# Altium PCB ESP32 S3 Mini-1.PcbDoc (continued)
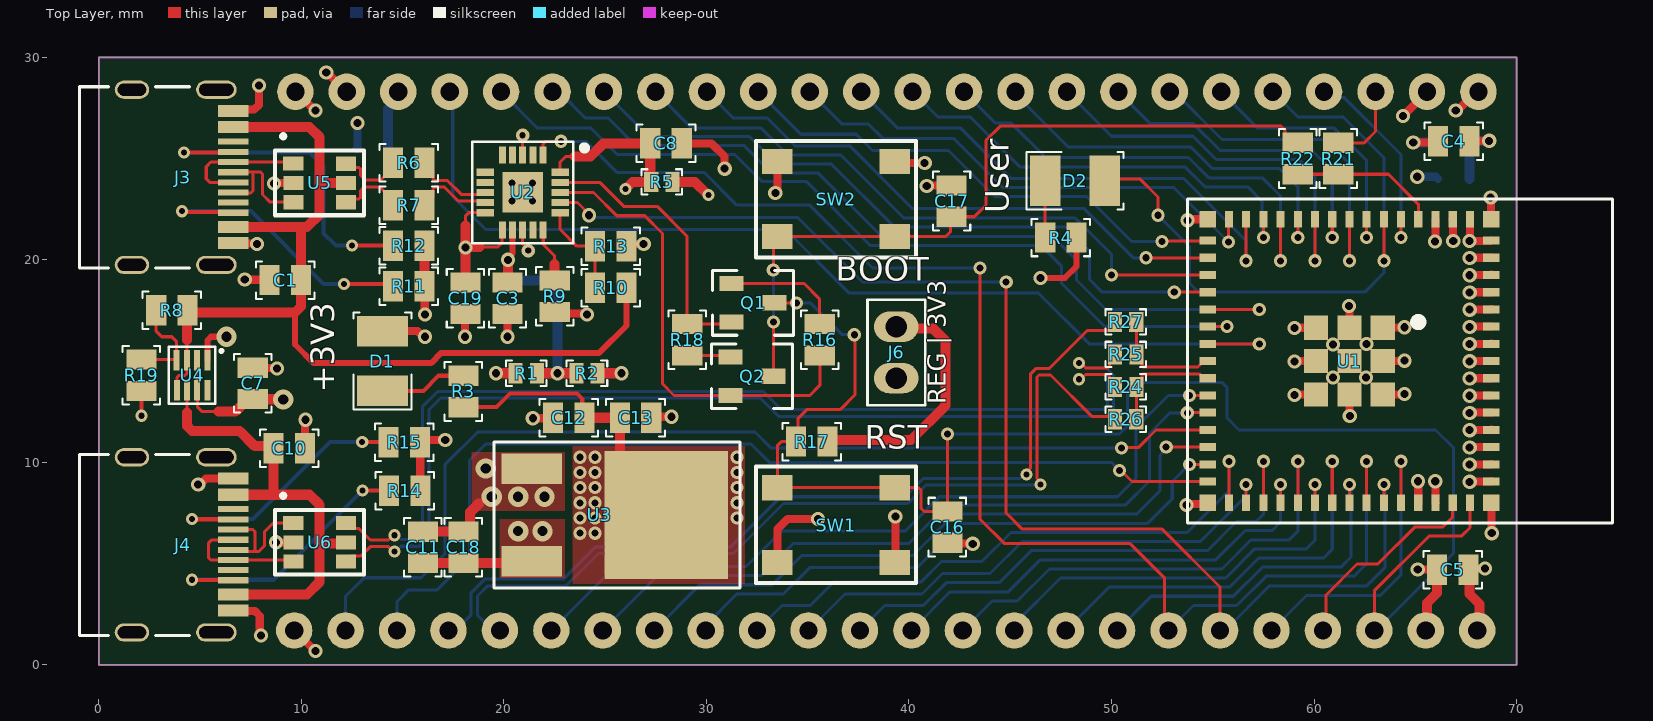
[diagram p0: Top Layer view]
## Part data
C1 C3 C4 C5 C6 C8 C9 C10 C11 C12 C15 C19: library part "CAP 0.1uF", "50V 100nF X7R ±5% 0603 Multilayer Ceramic Capacitors MLCC - SMD/SMT ROHS", Manufacturer=YAGEO, Mfr. Part #=CC0603JRX7R9BB104, Package=0603, Supplier="LCSC ELECTRONICS", Supplier Part #=C91183
C2: library part "CAP 4.7uF", "16V 4.7uF X5R ±10% 0603 Multilayer Ceramic Capacitors MLCC - SMD/SMT ROHS", Manufacturer="Samsung Electro-Mechanics", Mfr. Part #=CL10A475KO8NNNC, Package=0603, Supplier="LCSC ELECTRONICS", Supplier Part #=C19666
C7 C16 C17: library part "CAP 1uF", "16V 1uF X7R ±5% 0603 Multilayer Ceramic Capacitors MLCC - SMD/SMT ROHS", Manufacturer=YAGEO, Mfr. Part #=CC0603JRX7R7BB105, Package=0603, Supplier="LCSC ELECTRONICS", Supplier Part #=C519560
C13 C14 C18: library part "CAP 10uF", "16V 10uF X5R ±10% 0603 Multilayer Ceramic Capacitors MLCC - SMD/SMT ROHS", Manufacturer="Samsung Electro-Mechanics", Mfr. Part #=CL10A106KO8NQNC, Package=0603, Supplier="LCSC ELECTRONICS", Supplier Part #=C962136
D1: library part "LED GREEN", "25mA Colorless transparent lens 516nm~525nm -30℃~+85℃ Positive Stick Emerald 120° 80mW 1206 LED Indication - Discrete ROHS", Manufacturer=XINGLIGHT, Mfr. Part #=XL-3216UGC, Package=1206, Supplier="LCSC ELECTRONICS", Supplier Part #=C965825
D2: library part "LED RED", "20mA 225mcd Colorless and transparent -20℃~+85℃ Positive Stick 615nm~630nm Red 120° 50mW 2.4V 1206 LED Indication - Discrete ROHS", Manufacturer=XINGLIGHT, Mfr. Part #=XL-3216SURC, Package=1206, Supplier="LCSC ELECTRONICS", Supplier Part #=C965822
J1 J2: "Gold 250V 3A Policy 2.5mm 24P 260℃ -40℃~+105℃ 2.54mm Single Row Black Brass 2.54mm 1x24P Plugin,P=2.54mm Pin Headers ROHS", Manufacturer="XKB Connection", Mfr. Part #=X6511WV-24H-C60D30, Package=Plugin,P=2.54mm, Supplier="LCSC ELECTRONICS", Supplier Part #=C725956
J3 J4: "5A 1 16P Female Type-C SMD USB Connectors ROHS", Manufacturer="Korean Hroparts Elec", Mfr. Part #=TYPE-C-31-M-12, Package=SMD, Supplier="LCSC ELECTRONICS", Supplier Part #=C165948
J6: "3A Direct Insert Policy 2.54mm 2P 6mm 3mm 2.54mm Single Row 1x2P Plugin,P=2.54mm Pin Headers ROHS", Manufacturer=DEALON, Mfr. Part #=DZ254R-11-02-63, Package=Plugin,P=2.54mm, Supplier="LCSC ELECTRONICS", Supplier Part #=C2935908
Q1 Q2: "25V 300mW 120@100mA,1V 1.5A NPN SOT-23 Bipolar (BJT) ROHS", Manufacturer="Jiangsu Changjing Electronics Technology Co., Ltd.", Mfr. Part #=SS8050-G(RANGE:120-200), Package=SOT-23, Supplier="LCSC ELECTRONICS", Supplier Part #=C164886
R1 R2 R5 R24 R25 R26 R27: library part "Resistor 0R", "62.5mW Thick Film Resistors 50V ±800ppm/℃ ±1% 0Ω 0402 Chip Resistor - Surface Mount ROHS", Manufacturer="UNI-ROYAL(Uniroyal Elec)", Mfr. Part #=0402WGF0000TCE, Package=0402, Supplier="LCSC ELECTRONICS", Supplier Part #=C17168
R3 R4: library part "Resistor 1K", "100mW Thick Film Resistors 75V ±100ppm/℃ ±1% 1kΩ 0603 Chip Resistor - Surface Mount ROHS", Manufacturer="UNI-ROYAL(Uniroyal Elec)", Mfr. Part #=0603WAF1001T5E, Package=0603, Supplier="LCSC ELECTRONICS", Supplier Part #=C21190
R6 R7 R21 R22: library part "Resistor 27R", "100mW Thick Film Resistors 75V ±1% ±200ppm/℃ 27Ω 0603 Chip Resistor - Surface Mount ROHS", Manufacturer="UNI-ROYAL(Uniroyal Elec)", Mfr. Part #=0603WAF270JT5E, Package=0603, Supplier="LCSC ELECTRONICS", Supplier Part #=C25190
R8 R9 R13 R16 R17 R18 R19: library part "Resistor 10K", "100mW Thick Film Resistors 75V ±100ppm/℃ ±1% 10kΩ 0603 Chip Resistor - Surface Mount ROHS", Manufacturer="UNI-ROYAL(Uniroyal Elec)", Mfr. Part #=0603WAF1002T5E, Package=0603, Supplier="LCSC ELECTRONICS", Supplier Part #=C25804
R10: library part "Resistor 4.7K", "100mW Thick Film Resistors 75V ±100ppm/℃ ±1% 4.7kΩ 0603 Chip Resistor - Surface Mount ROHS", Manufacturer="UNI-ROYAL(Uniroyal Elec)", Mfr. Part #=0603WAF4701T5E, Package=0603, Supplier="LCSC ELECTRONICS", Supplier Part #=C23162
R11 R12 R14 R15: library part "Resistor 5.1K", "100mW Thick Film Resistors 75V ±100ppm/℃ ±5% 5.1kΩ 0603 Chip Resistor - Surface Mount ROHS", Manufacturer="UNI-ROYAL(Uniroyal Elec)", Mfr. Part #=0603WAJ0512T5E, Package=0603, Supplier="LCSC ELECTRONICS", Supplier Part #=C26000
SW1 SW2: "50mA 5.1mm 100,000 Times 160gf 12V 5.1mm 1.5mm Round Button Vertical welding SPST SMD Tactile Switches ROHS", Manufacturer="XKB Connection", Mfr. Part #=TS-1187A-B-A-B, Package=SMD, Supplier="LCSC ELECTRONICS", Supplier Part #=C318884
U1: library part ESP32-S3-MINI, "20.5dBm ESP32-S3FN8 chip 2.4GHz SMD-41P WiFi Modules ROHS", Manufacturer="Espressif Systems", Package=SMD-41P, Mfr. Part #=ESP32-S3-MINI-1-N8, Supplier="LCSC ELECTRONICS", Supplier Part #=C2913206
U2: "USB to UART UART QFN-20-EP(4x4) USB Converters ROHS", Manufacturer=FTDI, Mfr. Part #=FT231XQ-R, Package=QFN-20-EP(4x4), Supplier="LCSC ELECTRONICS", Supplier Part #=C132159
U3: "79dB@(120Hz) 1.5A Fixed 3.3V Positive electrode 30V TO-252-2(DPAK) Voltage Regulators - Linear, Low Drop Out (LDO) Regulators ROHS", Manufacturer=STMicroelectronics, Mfr. Part #=LD1086DT33TR, Package=TO-252-2(DPAK), Supplier="LCSC ELECTRONICS", Supplier Part #=C12051
U4: "1.6V~5.5V 42mΩ 2.5A 1 SOT-583 Power Distribution Switches ROHS", Manufacturer="Texas Instruments", Mfr. Part #=TPS2116DRLR, Package=SOT-583, Supplier="LCSC ELECTRONICS", Supplier Part #=C3235557
U5 U6: "5A 17V 6V Unidirectional 5.25V SOT-23-6 Electrostatic and Surge Protection (TVS/ESD) ROHS", Manufacturer=STMicroelectronics, Mfr. Part #=USBLC6-2SC6, Package=SOT-23-6, Supplier=LCSC, Supplier Part #=C7519

## Via types
v1: diameter 0.7, hole 0.4, Top Layer to Bottom Layer, tented both sides, 78 vias
v2: diameter 0.65, hole 0.35, Top Layer to Bottom Layer, tented both sides, 65 vias
v3: diameter 0.6, hole 0.3, Top Layer to Bottom Layer, tented both sides, 17 vias
v4: diameter 1, hole 0.5, Top Layer to Bottom Layer, tented both sides, 8 vias
v5: diameter 0.65, hole 0.3, Top Layer to Bottom Layer, tented both sides, 2 vias

## Nets (pads, with @x,y where several pads share a name; then routed paths per layer and width w, separated by ;. In a path a pad name is that pad's centre, name@x,y a point inside that pad or via, vN(x,y) a via of type N, cw(c..) or ccw(c..) an arc to the next point about the centre after c; other vN are vias at no path point)
3V3_REG: C12.2 C13.2 J6.2 R3.2 U3.3 | length 14.7
  Top Layer w0.2: R3.2 19.625,12.725 20.3,13.4 23.6,13.4 23.867,13.133 23.867,12.308 C12.2
  Top Layer w0.5: C12.2 C13.2 25.725,9.7 U3.3
  other v2: 23.75,6.5 24.5,6.5 23.75,7.25 24.5,7.25 31.5,7.25 23.75,8 24.5,8 31.5,8 23.75,8.75 24.5,8.75 31.5,8.75 23.75,9.5 24.5,9.5 31.5,9.5 23.75,10.25 24.5,10.25 31.5,10.25
+3V3: C4.2 C5.2 C14.2 C15.2 J1.2 J2.1 J6.1 R2.2 R4.2 R5.2 R17.2 U1.3 | length 29.6
  Top Layer w0.3: v1(46.5,19.1) 47.7,19.1 48.275,19.675 R4.2
  Top Layer w0.4: v1(64.4,27.1) 64.4,27.11 65.58,28.29 J1.2 ; v1(64.9,25.8) 66.075,25.8 C4.2 ; v1(65.975,20.9) 66,20.925 U1.3 ; C5.2 67.675,4.75 v1(68.45,4.75)
  Top Layer w0.5: R2.2 v1(25.8,14.4) ; R5.2 29.427,23.846 30.073,23.2 v3(30.1,23.2) ; R17.2 36.05,11.1 40.1,11.1 41.8,12.8 41.8,16 41.2,16.6 39.47,16.6 J6.1 ; C5.2 67.675,4.65 67.675,3.5 68.175,3 68.175,1.815 J2.1
  Bottom Layer w0.4: v1(65.1,24.1) 66.025,24.1 C14.2
  Bottom Layer w0.5: v1(64.9,25.8) 66.075,25.8 C15.2
+5V: C7.2 C9.2 C11.2 C18.2 J1.22 R1.2 U3.2 U4.2 | length 16.8
  Top Layer w0.15: U4.2@4.84,15.04 4.845,15.035 4.845,13.565 4.85,13.56 4.875,13.535 4.875,12.725 5.1,12.5 5.9,12.5
  Top Layer w0.5: 5.9,12.5 6.725,12.5 7.35,13.125 C7.2 7.612,13.113 9.087,13.113 v4(9.1,13.1) ; C11.2 21.286,5.025 U3.2 ; C18.2 C18.2@18.129,5.154 ; C18.2@18.04,5.025 C18.2@18.129,5.114 ; v1(19.6,14.4) R1.2@20.675,14.4
  Bottom Layer w0.5: C9.2 14.275,27.443 14.78,27.948 J1.22
  other v4: 20.7,6.6 21.9,6.6
CBUS0: R9.2 U2.15 | length 2.7
  Top Layer w0.15: U2.15 21.94,21.46 21.94,20.76 22.5,20.2 22.5,19.8
  Top Layer w0.5: R9.2 22.5,19.8
CHIP_PU: C16.2 J2.3 Q1.3 R17.1 SW1.2 U1.45 | length 77.4
  Top Layer w0.15: Q1.3 v2(34.45,17.875) ; v2(37.3,16.3) 37.325,16.275 37.325,13.325 36.6,12.6 34.95,12.6 34.529,12.179 34.529,11.304 34.246,11.021 33.696,11.021 33.5,10.825 33.5,8.75 39.3,8.75 40.454,8.75 40.6,8.604 40.6,7.721 40.746,7.575 C16.2 v2(41.9,11.4) ; J2.3 62.98,3.655 65.675,6.35 67.275,6.35 67.7,6.775 U1.45
  Bottom Layer w0.15: v2(34.45,17.875) 35.125,17.875 36.7,16.3 v2(37.3,16.3) ; v2(41.9,11.4) 50.4,11.4 50.8,11.8 50.8,13.5 51.25,13.95 55.45,13.95 55.7,13.7 55.7,12.2 56.3,11.6 66,11.6 66.896,10.704 66.896,5.517 63.08,1.7 J2.3
CON_ESP_USB_N: J2.21 R27.1 | length 42.7
  Top Layer w0.15: v3(45.8,9.4) 45.8,9.518 45.995,9.713 45.995,14.348 46.29,14.643 46.943,14.643 48.808,16.508 49.899,16.508 50.174,16.783 R27.1
  Bottom Layer w0.15: J2.21 17.611,1.7 18.365,2.454 18.365,2.578 18.365,3.537 19.058,4.23 22.93,4.23 24.53,5.83 31.2,5.83 33.67,8.3 39.8,8.3 40.705,9.205 45.487,9.205 45.682,9.4 v3(45.8,9.4)
CON_ESP_USB_P: J2.20 R26.1 | length 42.6
  Top Layer w0.15: v3(46.5,8.9) 46.5,9.022 46.325,9.197 46.325,14.211 46.427,14.313 46.987,14.313 49.029,12.271 50.025,12.271 R26.1
  Bottom Layer w0.15: J2.20 19.449,1.7 18.695,2.454 18.695,2.715 18.695,3.4 19.195,3.9 23.067,3.9 24.667,5.5 31.337,5.5 33.807,7.97 39.937,7.97 40.842,8.875 46.475,8.875 v3(46.5,8.9)
esp_N: R25.2 R27.2 U1.23 | length 5.7
  Top Layer w0.15: R27.2 51.227,16.93 R25.2 51.502,15.054 51.502,14.788 51.59,14.7 52.742,14.7 54.25,14.7 54.55,15 U1.23
esp_P: R24.2 R26.2 U1.24 | length 5.7
  Top Layer w0.15: R26.2 51.227,12.124 R24.2 51.502,14 51.502,14.282 51.59,14.37 52.879,14.37 54.33,14.37 54.55,14.15 U1.24
ESP_U0RXD: J2.6 U1.40 U2.17 | length 63.7
  Top Layer w0.15: U2.17 23.628,22.825 24.2,22.253 v1(24.2,22.2) ; v2(44.8,18.9) 44.8,7.5 45.6,6.7 52.5,6.7 55.36,3.84 J2.6 ; U1.40 v2(63.45,8.9)
  Bottom Layer w0.15: v1(24.2,22.2) 24.3,22.1 34.5,22.1 37.7,18.9 v2(44.8,18.9) ; J2.6 55.6,1.7 57.8,3.9 62.6,3.9 63.496,4.796 63.496,8.854 v2(63.45,8.9)
ESP_U0TXD: J2.7 U1.39 U2.1 | length 68.4
  Top Layer w0.15: U2.1 21.925,25.704 22.071,25.85 v2(22.825,25.85) ; v2(43.5,19.6) 43.5,7.2 44.7,6 50.9,6 52.625,4.275 52.625,1.895 J2.7 ; U1.39 v2(62.6,10.05)
  Bottom Layer w0.15: v2(22.825,25.85) 24.05,25.85 25.6,24.3 29.9,24.3 31.5,22.7 35.1,22.7 38.2,19.6 v2(43.5,19.6) ; J2.7 54.045,2.925 56.189,2.925 57.639,4.375 61.975,4.375 62.6,5 v2(62.6,10.05)
ESP_USB_CONN2_N: J4.A7 J4.B7 U6.1 | length 6.1
  Top Layer w0.15: J4.A7 6.698,5.607 7.7,5.607 ; J4.B7 7.612,6.675 7.7,6.587 7.7,5.607 ; U6.1 8.604,7.004 8.175,6.575 8.175,5.875 7.907,5.607 7.7,5.607
ESP_USB_CONN2_P: J4.A6 J4.B6 U6.3 | length 6.3
  Top Layer w0.15: J4.A6 5.575,6.175 5.4,6 5.4,5.3 5.525,5.175 J4.B6 9.53,5.175 U6.3
ESP_USB_N: R25.1 U6.6 | length 51.6
  Top Layer w0.15: U6.6 12.474,5.371 12.936,5.371 13.4,5.835 14.287,5.835 14.522,5.6 v3(14.6,5.6) ; v3(48.4,14.9) 48.478,14.9 48.713,14.665 49.466,14.665 49.814,14.665 49.902,14.753 49.902,15.054 R25.1
  Bottom Layer w0.15: v3(14.6,5.6) 14.678,5.6 14.678,5.621 14.913,5.856 15.841,5.856 16.3,6.315 16.3,12.6 16.87,13.17 32.663,13.17 33.567,12.267 49.733,12.267 50.1,12.633 50.1,14.3 49.735,14.665 48.713,14.665 48.478,14.9 v3(48.4,14.9)
ESP_USB_P: R24.1 U6.4 | length 50.5
  Top Layer w0.15: U6.4 12.474,6.721 12.844,6.721 13.4,6.165 14.287,6.165 14.522,6.4 v3(14.6,6.4) ; v3(48.4,14.1) 48.478,14.1 48.713,14.335 49.602,14.335 49.814,14.335 49.902,14.247 49.902,14 R24.1
  Bottom Layer w0.15: v3(14.6,6.4) 14.698,6.4 14.913,6.186 15.704,6.186 15.97,6.452 15.97,12.737 16.733,13.5 32.8,13.5 33.703,12.597 49.597,12.597 49.8,12.8 49.8,14.176 49.641,14.335 48.713,14.335 48.478,14.1 v3(48.4,14.1)
FTDI_3V3_OUT: C6.2 C8.2 C19.2 R5.1 U2.10 U2.11 U2.20 | length 26.2
  Top Layer w0.15: 18.112,21.712 18.112,22.179 18.258,22.325 U2.10 ; 18.783,20.625 19.681,20.625 19.913,20.857 19.913,21.175 19.925,21.187 U2.11 ; U2.20 22.775,24.825 23.05,25.1 23.475,25.1
  Top Layer w0.5: C19.2@18.1,19.325 18.1,21.7 ; v1@18.125,20.625 18.783,20.625 ; 23.475,25.1 24.275,25.1 24.925,25.75 C8.2 R5.1@27.225,24.05 ; v3(26,23.5) 26.346,23.846 R5.1
  PWR w0.5: v1(18.1,20.6) 18.9,21.4 22.3,21.4 22.7,21.8 22.7,23.207 22.993,23.5 v3(26,23.5)
  Bottom Layer w0.5: v1(18.1,20.6) 18.1,19.225 C6.2@18.15,19.175
FTDI_D_N: R7.2 U2.9 | length 3.9
  Top Layer w0.15: R7.2 16.5,23.125 16.5,23.497 16.588,23.585 17.063,23.585 17.748,22.9 19,22.9 U2.9
FTDI_D_P: R6.2 U2.8 | length 3.9
  Top Layer w0.15: R6.2 16.5,24.375 16.5,24.003 16.588,23.915 17.2,23.915 17.885,23.23 18.98,23.23 U2.8
FTDI_DTR: Q2.2 R16.1 U2.18 | length 23
  Top Layer w0.15: U2.18 24.425,23.325 25.575,22.175 26.95,22.175 27.825,21.3 27.825,13.875 28.4,13.3 Q2.2 35.1,13.3 35.6,13.8 R16.1
FTDI_RTS: Q1.2 R18.1 U2.19 | length 13.9
  Top Layer w0.15: U2.19 24.725,23.825 25.913,22.637 27.563,22.637 29.05,21.15 R18.1 31.14,16.825 Q1.2
FTDI_VCC: C2.2 C3.2 R1.1 R2.1 U2.12 | length 11.5
  Top Layer w0.3: v1(20.2,20) 20.2,20.108 20.425,20.333 U2.12
  Top Layer w0.5: C3.2@20.2,19.266 v1@20.2,19.979 ; R1.1@21.725,14.4 v1(22.65,14.4) R2.1
  Bottom Layer w0.5: C2.2 22.357,18.975 22.65,18.682 v1(22.65,14.4) ; 20.2,19.525 v1(20.2,20)
GND: C1.1 C2.1 C3.1 C4.1 C5.1 C6.1 C7.1 C8.1 C9.1 C10.1 C11.1 C12.1 C13.1 C14.1 C15.1 C16.1 C17.1 C18.1 C19.1 D1.2 J1.1 J1.23 J1.24 J2.2 J2.24 J3.A1/B12 J3.B1/A12 J3.SH J4.A1/B12 J4.B1/A12 J4.SH R9.1 R11.1 R12.1 R13.1 R14.1 R15.1 R19.1 SW1.1 SW2.1 U1.1 U2.3 U3.1 U4.1 U5.2 U6.2 | length 103.9
  Top Layer w0.15: U2.3@20.925,21.475 20.925,20.781 21.2,20.506 v5(21.2,20.45) ; U2.3@20.925,25.175 v5(20.925,26.15)
  Top Layer w0.2: v3(2.1,12.3) R19.1
  Top Layer w0.3: U4.1 5.36,16.024 5.536,16.2 v4(6.3,16.2)
  Top Layer w0.4: R19.1@2.075,13.55 R19.1 ; v1(4.9,8.9) 4.98,8.9 5.28,9.2 J4.A1/B12 ; J4.B1/A12 6.65,2.655 7.708,2.655 7.943,2.42 7.943,1.507 v1(8,1.45) ; J3.B1/A12 6.655,20.8 7.775,20.8 v1(7.8,20.775) ; J3.A1/B12 6.693,27.413 7.666,27.413 7.9,27.647 v1(7.9,28.6) ; v1@7.213,19.012 C1.1@8.412,19.013 ; C7.1 7.625,14.65 8.775,14.65 v1(8.8,14.625) ; v1(8.65,23.775) 8.66,23.785 9.599,23.785 U5.2 ; v1(8.75,6.05) 8.752,6.048 9.607,6.048 U6.2 ; J2.24 9.658,1.7 10.683,0.675 v1(10.7,0.675) ; J1.24 9.738,28.3 10.663,27.375 v1(10.7,27.375) ; C10.1 v1@10.175,11.95 ; v1(11.225,29.25) 11.258,29.25 12.208,28.3 J1.23 ; D1.2@13.994,16.481 15.738,16.481 16.019,16.2 v1(16.1,16.2) ; R14.1 15.865,8.61 15.865,10.99 R15.1 15.955,11.1 v1(17.1,11.1) ; R11.1@16.088,18.687 16.088,17.313 v1(16.1,17.3) ; v1@18.075,16.4 18.075,17.3 C19.1 ; v1@20.175,16.4 20.175,17.175 C3.1@20.25,17.25 ; v1(21.425,12.175) 22.4,12.175 C12.1 ; R9.1@22.85,17.325 22.882,17.357 24.043,17.357 v1(24.1,17.3) ; R13.1@26.044,20.669 26.15,20.775 v1(26.9,20.775) ; C13.1 27.325,12.25 v1(28.275,12.25) ; C8.1 30.25,25.75 30.9,25.1 v1(30.9,24.5) ; v1(33.4,23.3) 33.4,23.381 33.506,23.487 SW2.1@33.506,24.856 ; SW1.1@33.5,5.05 33.5,6.7 34,7.2 v1(35.5,7.2) ; SW1.1@39.294,5.044 39.325,5.075 v1(39.325,7.325) ; SW2.1@39.306,24.856 39.388,24.775 v1(40.775,24.775) ; v1(40.875,23.65) 40.888,23.663 42.087,23.663 C17.1@42.106,23.681 ; C16.1 41.925,6 43.125,6 v1(43.15,5.975) ; v1(53.7,7.9) 53.75,7.95 54.7,7.95 U1.1@54.756,8.006 ; v1@53.8,22 U1.1@54.75,22 ; v1@59.044,13.319 v1(59.031,13.331) 59.044,13.344 60.094,13.344 U1.1@60.106,13.356 ; v1@59.044,14.969 v1(59.031,14.981) 59.044,14.994 60.094,14.994 U1.1@60.106,15.006 ; v1@59.044,16.619 v1(59.031,16.631) 59.044,16.644 60.094,16.644 U1.1@60.106,16.656 ; v1@61.719,17.706 v1(61.731,17.719) 61.744,17.706 61.744,16.656 U1.1@61.756,16.644 ; U1.1@61.744,13.356 61.756,13.344 61.756,12.294 v1(61.769,12.281) v1@61.781,12.294 ; U1.1@63.394,13.344 63.406,13.356 64.456,13.356 v1(64.469,13.369) v1@64.456,13.381 ; U1.1@63.394,14.994 63.406,15.006 64.456,15.006 v1(64.469,15.019) v1@64.456,15.031 ; U1.1@63.394,16.644 63.406,16.656 64.456,16.656 v1(64.469,16.669) v1@64.456,16.681 ; v1(65.125,4.7) C5.1 ; v1@65.125,9.05 v1(65.137,9.063) 65.15,9.05 65.15,8 U1.1@65.162,7.987 ; J2.2@65.51,1.71 J2.2 ; v1@65.975,9.05 v1(65.987,9.062) 66,9.05 66,8 U1.1@66.012,7.987 ; U1.1@66.85,22 66.862,21.988 66.862,20.938 v1(66.875,20.925) v1@66.887,20.937 ; v1(67,27.375) 67.081,27.375 68.006,28.3 J1.1 ; C4.1 67.7,25.875 v1(68.65,25.875) ; v1@67.687,20.913 v1(67.675,20.925) v1@67.687,20.938 ; v1@67.7,9.025 v1(67.687,9.037) 67.7,9.05 68.75,9.05 U1.1@68.762,9.062 ; v1@67.7,9.875 v1(67.687,9.887) 67.7,9.9 68.75,9.9 U1.1@68.762,9.912 ; v1@67.7,10.725 v1(67.687,10.737) 67.7,10.75 68.75,10.75 U1.1@68.762,10.763 ; v1@67.7,11.575 v1(67.687,11.588) 67.7,11.6 68.75,11.6 U1.1@68.762,11.613 ; v1@67.7,12.425 v1(67.687,12.437) 67.7,12.45 68.75,12.45 U1.1@68.762,12.462 ; v1@67.7,13.275 v1(67.687,13.287) 67.7,13.3 U1.1@68.75,13.3 ; v1@67.7,14.125 v1(67.687,14.137) 67.7,14.15 68.75,14.15 U1.1@68.762,14.162 ; v1@67.7,14.975 v1(67.687,14.987) 67.7,15 68.75,15 U1.1@68.762,15.012 ; v1@67.7,15.825 v1(67.687,15.837) 67.7,15.85 68.75,15.85 U1.1@68.762,15.863 ; v1@67.7,16.675 v1(67.687,16.688) 67.7,16.7 68.75,16.7 U1.1@68.762,16.713 ; v1@67.7,17.525 v1(67.687,17.537) 67.7,17.55 68.75,17.55 U1.1@68.762,17.562 ; v1@67.7,18.375 v1(67.687,18.387) 67.7,18.4 68.75,18.4 U1.1@68.762,18.413 ; v1@67.7,19.225 v1(67.687,19.237) 67.7,19.25 68.75,19.25 U1.1@68.762,19.262 ; v1@67.7,20.075 v1(67.687,20.087) 67.7,20.1 68.75,20.1 U1.1@68.762,20.112 ; U1.1@67.7,22 67.7,20.95 v1@67.687,20.938 ; v1@68.712,23.063 v1(68.725,23.075) 68.738,23.063 68.738,22.013 U1.1@68.75,22 ; U1.1@68.75,8 68.762,7.987 68.762,6.513 v1(68.775,6.5) ; U1.1@68.75,20.95 68.738,20.938 v1@67.687,20.938
  Top Layer w0.5: C11.1 18.082,6.575 18.332,6.825 18.332,7.532 18.755,7.955 ; R12.1 R11.1 R11.1@16.088,18.687 ; U3.1@21.361,9.7 U3.1 ; J2.2@65.69,1.75 65.575,1.865 65.575,3.05 66.075,3.55 C5.1
  Bottom Layer w0.4: C9.1@12.725,25.471 12.763,25.508 v1(12.763,26.763) ; v1@18.075,16.5 18.075,17.4 C6.1 ; v1@20.175,16.5 C2.1 ; C15.1 C15.1@67.7,25.875
  Bottom Layer w0.5: C14.1 C15.1 ; C15.1@67.7,25.875 v1(68.65,25.875)
  other v1: 10.2,12.1 60.938,14.188 62.563,14.188 60.938,15.813 62.588,15.838 18.075,16.2 20.175,16.2 7.2,19.025 53.75,21.95
  other v2: 20.4,22.9 21.4,22.9 20.4,23.8 21.4,23.8
  other v4: 19.4,8.3 20.7,8.3 22,8.3 19.1,9.7
GPIO0: R21.2 R22.2 U1.4 | length 7.3
  Top Layer w0.15: R22.2 R21.2 63.675,24.225 65.15,22.75 U1.4
GPIO0_BTN: C17.2 Q2.3 R22.1 SW2.2 | length 37.7
  Top Layer w0.15: v2(33.3,19.5) 33.3,20.95 33.5,21.15 41.815,21.15 42.061,21.396 42.061,22.086 C17.2 43.225,22.125 43.8,22.7 43.8,25.9 44.5,26.6 58.375,26.6 58.575,26.4 58.575,26.15 58.95,25.775 R22.1 ; Q2.3 v2(33.31,16.935)
  Bottom Layer w0.15: v2(33.3,19.5) 33.305,19.495 33.305,16.94 v2(33.31,16.935)
GPIO0_CON: J1.3 R21.1 | length 4
  Top Layer w0.15: R21.1 62.475,25.775 63.04,26.34 J1.3
GPIO1: J1.4 U1.5 | length 10.1
  Top Layer w0.15: v2(64.3,21.1) U1.5
  Bottom Layer w0.15: J1.4 60.795,28.005 61.495,28.005 64.3,25.2 v2(64.3,21.1)
GPIO2: D2.2 J1.5 U1.6 | length 32.7
  Top Layer w0.15: D2.2 49.775,24 51.4,24 52.3,23.1 v2(52.3,22.2) ; v2(63.45,19.95) U1.6
  Bottom Layer w0.15: v2(52.3,22.2) 53.85,20.65 53.85,18.85 54.3,18.4 62.5,18.4 63.45,19.35 v2(63.45,19.95) 63.45,25.05 61.45,27.05 59.21,27.05 J1.5
GPIO3: J1.6 U1.7 | length 13.3
  Top Layer w0.15: v2(62.6,21.1) U1.7
  Bottom Layer w0.15: J1.6 57.22,26.5 61,26.5 62.6,24.9 v2(62.6,21.1)
GPIO4: J1.7 U1.8 | length 17.2
  Top Layer w0.15: v2(61.75,19.95) U1.8
  Bottom Layer w0.15: J1.7 53.1,28.3 55.46,25.94 60.56,25.94 61.75,24.75 v2(61.75,19.95)
GPIO5: J1.8 U1.9 | length 16.4
  Top Layer w0.15: v2(60.9,21.1) U1.9
  Bottom Layer w0.15: J1.8 51.915,26.725 54.039,26.725 55.364,25.4 59.9,25.4 60.9,24.4 v2(60.9,21.1)
GPIO6: J1.9 U1.10 | length 20.2
  Top Layer w0.15: v2(60.05,19.95) U1.10
  Bottom Layer w0.15: J1.9 50,26.1 54.027,26.1 55.177,24.95 59.254,24.95 60.05,24.154 v2(60.05,19.95)
GPIO7: J1.10 U1.11 | length 19.4
  Top Layer w0.15: v2(59.2,21.1) U1.11
  Bottom Layer w0.15: J1.10 45.26,28.18 47.865,25.575 53.916,25.575 54.991,24.5 58.3,24.5 59.2,23.6 v2(59.2,21.1)
GPIO8: J1.11 U1.12 | length 23
  Top Layer w0.15: v2(58.35,19.95) U1.12
  Bottom Layer w0.15: J1.11 44.27,26.75 45.05,26.75 46.75,25.05 53.804,25.05 54.804,24.05 57.45,24.05 58.35,23.15 v2(58.35,19.95)
GPIO9: J1.12 U1.13 | length 22.2
  Top Layer w0.15: v2(57.5,21.1) U1.13
  Bottom Layer w0.15: J1.12 41.43,27.05 43.025,27.05 45.5,24.575 53.643,24.575 54.618,23.6 56.725,23.6 57.423,22.902 57.423,21.177 v2(57.5,21.1)
GPIO10: J1.13 U1.14 | length 25.1
  Top Layer w0.15: v2(56.65,19.95) U1.14
  Bottom Layer w0.15: J1.13 39.44,26.5 42.55,26.5 45.025,24.025 53.557,24.025 56.65,20.932 v2(56.65,19.95)
GPIO11: J1.14 U1.15 | length 24.9
  Top Layer w0.15: v2(55.775,20.875) 55.787,20.887 55.787,21.988 U1.15
  Bottom Layer w0.15: J1.14 36.7,26.7 38,26.7 38.7,26 42.2,26 44.625,23.575 53.075,23.575 v2(55.775,20.875)
GPIO12: J1.15 U1.16 | length 25.3
  Top Layer w0.15: v2(52.5,20.9) 52.525,20.925 54.725,20.925 U1.16
  Bottom Layer w0.15: J1.15 34.66,26.2 37.4,26.2 38.2,25.4 41.95,25.4 44.225,23.125 48.775,23.125 51,20.9 v2(52.5,20.9)
GPIO13: J1.16 U1.17 | length 28.2
  Top Layer w0.15: v2@51.675,20.125 v2(51.7,20.1) U1.17
  Bottom Layer w0.15: J1.16 31.32,27 33,27 34.375,25.625 37.075,25.625 40.175,22.525 48.65,22.525 51.075,20.1 v2(51.7,20.1)
GPIO14: J1.17 U1.18 | length 31.6
  Top Layer w0.15: v2(50,19.25) U1.18
  Bottom Layer w0.15: J1.17 29.28,26.5 32.7,26.5 34.025,25.175 36.625,25.175 39.725,22.075 48.2,22.075 50,20.275 v2(50,19.25)
GPIO15: J1.18 U1.19 | length 34.7
  Top Layer w0.15: v2(53.1,18.4) U1.19
  Bottom Layer w0.15: J1.18 27.155,26.085 32.115,26.085 33.475,24.725 36.175,24.725 39.275,21.625 47.725,21.625 48.914,20.436 48.914,19.036 49.55,18.4 v2(53.1,18.4)
GPIO16: J1.19 U1.20 | length 42.4
  Top Layer w0.15: U1.20 v2(57.3,17.55)
  Bottom Layer w0.15: J1.19 22.725,28.3 24.021,27.004 25.146,27.004 26.515,25.635 31.865,25.635 33.225,24.275 35.525,24.275 38.529,21.271 40.625,21.15 40.709,21.15 47.1,21.15 48.275,19.975 48.275,19 49.725,17.55 v2(57.3,17.55)
GPIO17: J1.20 U1.21 | length 42.1
  Top Layer w0.15: U1.21 v2(55.7,16.7)
  Bottom Layer w0.15: J1.20 21.66,26.5 24.3,26.5 25.6,25.2 31.4,25.2 32.2,24.4 32.725,23.875 34.925,23.875 38.1,20.7 46.525,20.7 47.525,19.7 47.525,18.85 49.675,16.7 v2(55.7,16.7)
GPIO18: J1.21 U1.22 | length 50.6
  Top Layer w0.15: U1.22 v2(57.3,15.85)
  Bottom Layer w0.15: J1.21 17.471,28.149 17.471,23.129 19.1,21.5 33.9,21.5 37.05,18.35 46.4,18.35 48.9,15.85 v2(57.3,15.85)
GPIO21: J2.19 U1.25 | length 38.7
  Top Layer w0.15: v2(53.85,13.3) U1.25
  Bottom Layer w0.15: J2.19 25.494,4.854 31.954,4.854 33.7,6.6 39.8,6.6 41.5,8.3 50.3,8.3 51.2,9.2 51.2,11.7 52.8,13.3 v2(53.85,13.3)
GPIO26: J2.18 U1.26 | length 35.7
  Top Layer w0.15: v2(53.745,12.443) 53.751,12.45 U1.26
  Bottom Layer w0.15: J2.18 27.584,4.404 32.704,4.404 34.3,6 40,6 41.886,7.886 50.686,7.886 51.875,9.075 51.875,11.425 52.893,12.443 v2(53.745,12.443)
GPIO33: J2.17 U1.28 | length 32.2
  Top Layer w0.15: v2(52.7,10.75) U1.28
  Bottom Layer w0.15: J2.17 29.674,3.954 33.254,3.954 34.7,5.4 40.2,5.4 42.236,7.436 51.236,7.436 52.4,8.6 52.4,10.342 52.7,10.642 v2(52.7,10.75)
GPIO34: J2.16 U1.29 | length 28.8
  Top Layer w0.15: v2(53.85,9.9) U1.29
  Bottom Layer w0.15: J2.16 29.96,1.96 31.504,3.504 33.804,3.504 35.1,4.8 40.4,4.8 42.586,6.986 51.786,6.986 53,8.2 53,9.05 v2(53.85,9.9)
GPIO35: J2.15 U1.31 | length 29.7
  Top Layer w0.15: U1.31 v2(55.8,10.05)
  Bottom Layer w0.15: J2.15 33.725,2.925 35.125,2.925 36.3,4.1 40.611,4.1 41.611,5.1 43.6,5.1 45.036,6.536 53.736,6.536 55.8,8.6 v2(55.8,10.05)
GPIO36: J2.14 U1.32 | length 25.8
  Top Layer w0.15: U1.32 v2(56.65,8.9)
  Bottom Layer w0.15: J2.14 36.84,3.5 40.647,3.5 41.653,4.506 44.006,4.506 45.586,6.086 54.386,6.086 56.65,8.35 v2(56.65,8.9)
GPIO37: J2.13 U1.33 | length 27
  Top Layer w0.15: U1.33 v2(57.5,10.05)
  Bottom Layer w0.15: J2.13 38.805,2.925 40.709,2.925 41.839,4.056 44.456,4.056 46.036,5.636 54.736,5.636 56.175,7.075 57.15,7.075 57.5,7.425 v2(57.5,10.05)
GPIO38: J2.12 U1.34 | length 23.2
  Top Layer w0.15: U1.34 v2(58.35,8.9)
  Bottom Layer w0.15: J2.12 42.026,3.606 44.906,3.606 46.486,5.186 55.15,5.186 56.589,6.625 57.925,6.625 58.35,7.05 v2(58.35,8.9)
GPIO39: J2.11 U1.35 | length 24.1
  Top Layer w0.15: U1.35 v2(59.2,10.05)
  Bottom Layer w0.15: J2.11 44.11,3.15 45.35,3.15 46.936,4.736 55.454,4.736 56.893,6.175 58.775,6.175 59.2,6.6 v2(59.2,10.05)
GPIO40: J2.10 U1.36 | length 20.5
  Top Layer w0.15: U1.36 v2(60.05,8.9)
  Bottom Layer w0.15: J2.10 45.2,2 47.486,4.286 55.641,4.286 57.079,5.725 59.625,5.725 60.05,6.15 v2(60.05,8.9)
GPIO41: J2.9 U1.37 | length 21.2
  Top Layer w0.15: U1.37 v2(60.9,10.05)
  Bottom Layer w0.15: J2.9 49.876,3.836 55.827,3.836 57.266,5.275 60.475,5.275 60.9,5.7 v2(60.9,10.05)
GPIO42: J2.8 U1.38 | length 17.6
  Top Layer w0.15: U1.38 v2(61.75,8.9)
  Bottom Layer w0.15: J2.8 51.966,3.386 56.014,3.386 57.452,4.825 61.325,4.825 61.827,5.327 61.827,8.823 v2(61.75,8.9)
GPIO45: J2.5 U1.41 | length 15.2
  Top Layer w0.15: U1.41 v2(64.3,10.05)
  Bottom Layer w0.15: J2.5 59.625,3.425 63.275,3.425 64.3,4.45 v2(64.3,10.05)
GPIO46: J2.4 U1.44 | length 10.4
  Top Layer w0.15: J2.4 60.59,1.85 60.59,3.44 62.125,4.975 63.15,4.975 64.975,6.8 66.35,6.8 66.85,7.3 U1.44
GPIO47: J2.23 U1.27 | length 50.9
  Top Layer w0.15: v2(50.5,10.7) 50.525,10.725 51.325,10.725 52.2,11.6 U1.27
  Bottom Layer w0.15: J2.23 12.18,3.38 13.1,4.3 15.9,4.3 17.1,5.5 17.1,9.9 18.7,11.5 32.4,11.5 33.2,10.7 v2(50.5,10.7)
GPIO48: J2.22 U1.30 | length 48.3
  Top Layer w0.15: v2(50.4,9.6) 50.467,9.6 51.017,9.05 U1.30
  Bottom Layer w0.15: J2.22 14.729,1.709 14.729,3.129 15.3,3.7 16.7,3.7 18.3,5.3 18.3,10.1 19.1,10.9 32.2,10.9 33.1,10 50,10 v2(50.4,9.6)
NetD1_1: D1.1 R3.1 | length 4.3
  Top Layer w0.2: D1.1 16.025,13.525 16.775,14.275 R3.1
NetD2_1: D2.1 R4.1 | length 2.8
  Top Layer w0.15: R4.1 D2.1
NetJ3_A5: J3.A5 R12.2 | length 16.6
  Top Layer w0.2: v3(4.2,25.3) 4.202,25.302 6.607,25.302 J3.A5 ; v3(12.5,20.7) R12.2
  Bottom Layer w0.2: v3(4.2,25.3) 10.4,25.3 11.1,24.6 11.1,21.3 11.7,20.7 v3(12.5,20.7)
NetJ3_B5: J3.B5 R11.2 | length 14.5
  Top Layer w0.2: v3(4.1,22.4) 4.15,22.35 6.605,22.35 J3.B5 ; v3(12.1,18.8) 14.425,18.8 R11.2
  Bottom Layer w0.2: v3(4.1,22.4) 7.5,22.4 11.1,18.8 v3(12.1,18.8)
NetJ4_A5: J4.A5 R15.2 | length 13.3
  Top Layer w0.2: v3(4.6,7.2) 4.613,7.188 6.618,7.188 J4.A5 ; v3(13,11) R15.2
  Bottom Layer w0.2: v3(4.6,7.2) 7.6,7.2 11.4,11 v3(13,11)
NetJ4_B5: J4.B5 R14.2 | length 13.6
  Top Layer w0.2: v3(4.6,4.2) 4.613,4.187 6.618,4.187 J4.B5 ; v3(13.02,8.6) R14.2
  Bottom Layer w0.2: v3(4.6,4.2) 8.62,4.2 v3(13.02,8.6)
NetQ1_1: Q1.1 R16.2 | length 5.9
  Top Layer w0.15: Q1.1 34.825,18.825 35.575,18.075 35.575,16.85 R16.2
NetQ2_1: Q2.1 R18.2 | length 2.2
  Top Layer w0.15: R18.2 31.115,15.275 Q2.1
PR1: R8.1 R19.2 U4.4 | length 4.9
  Top Layer w0.15: R19.2 3.805,15.075 U4.4 3.84,15.96 3.6,16.2 3.1,16.2 2.825,16.475 R8.1
USB_CONN_D_N: J3.A7 J3.B7 U5.1 | length 6.4
  Top Layer w0.15: J3.A7 5.475,23.825 5.3,24 5.3,24.6 5.525,24.825 J3.B7 9.53,24.825 U5.1
USB_CONN_D_P: J3.A6 J3.B6 U5.3 | length 6
  Top Layer w0.15: J3.B6 6.655,23.3 7.5,23.3 7.605,23.405 7.605,24.22 ; J3.A6 7.987,24.325 8.075,24.237 8.075,23.225 8.454,22.846 U5.3
USB_ESD_D_N: R7.1 U5.6 | length 3.4
  Top Layer w0.15: U5.6 12.354,23 12.837,23 12.924,23.088 12.924,23.424 13.1,23.6 13.443,23.6 13.863,23.6 14.088,23.375 14.1,23.375 14.525,22.95 R7.1
USB_ESD_D_P: R6.1 U5.4 | length 3.3
  Top Layer w0.15: U5.4 12.383,24.562 12.837,24.562 12.924,24.475 12.924,24.176 13.17,23.93 13.58,23.93 13.905,23.93 14.525,24.55 R6.1
VBUS_1: C1.2 J3.A4/B9 J3.B4/A9 R8.2 R10.2 U4.3 U4.5 U5.5 | length 49.1
  Top Layer w0.15: U4.5 3.85,14.197 3.938,14.285 4.252,14.285 4.34,14.373 U4.3 4.34,16.04
  Top Layer w0.3: 9.682,17.4 9.682,15.818 10.6,14.9 16.4,14.9 16.9,15.4 24.7,15.4 26.05,16.75 R10.2
  Top Layer w0.5: 4.34,16.04 4.34,17.465 4.405,17.4 9.682,17.4 9.975,17.693 C1.2 9.975,21.6 10,21.625 ; J3.B4/A9 10,21.625 ; J3.A4/B9 10.4,26.55 10.9,26.05 10.9,23.796 ; U5.5 10.9,23.796 ; 10,21.625 10.275,21.625 10.9,22.25 10.9,23.796
VBUS_2: C10.2 J4.A4/B9 J4.B4/A9 U4.6 U6.5 | length 22.9
  Top Layer w0.15: 4.35,12.45 U4.6
  Top Layer w0.5: 4.35,12.45 4.35,11.8 4.6,11.55 6.95,11.55 7.7,10.8 8.525,10.8 C10.2 8.625,8.4 ; J4.B4/A9 10.275,3.475 10.9,4.1 10.9,6 ; J4.A4/B9 10.4,8.4 10.9,7.9 10.9,6 ; U6.5 12.154,6 10.9,6
VBUS_SENSE: R10.1 R13.2 U2.16 | length 4.9
  Top Layer w0.15: U2.16 22.775,21.5 23.6,20.675 R13.2 R10.1
pads on no net: J3.A8 J3.B8 J4.A8 J4.B8 U2.2 U2.4 U2.5 U2.6 U2.7 U2.14 U4.8

## Polygon pours and split planes (outlines as drawn)
GND on GND "GND_L03_P000" (solid, remove dead copper, pour order 0): 0,30 0,0 70,0 70,30
3V3_REG on Top Layer "3V3_REG_L01_P007" (solid, remove dead copper, pour order 7): 23.4,10.8 23.4,4 31.9,4 31.9,10.8
GND on Top Layer "GND_L01_P004" (solid, remove dead copper, pour order 4): 23,7.6 23,10.5 18.4,10.5 18.4,7.6
+5V on Top Layer "+5V_L01_P003" (solid, remove dead copper, pour order 3): 23,7.2 23,4.3 19.8,4.3 19.8,7.2
+3V3 on PWR "+3V3_L02_P009" (solid, remove dead copper, pour order 9): 0,30 0,0 70,0 70,30
3V3_REG on PWR "3V3_REG_L02_P006" (solid, remove dead copper, pour order 6): 23.1,11.3 35.4,11.3 36.4,12.3 36.4,15.3 41.8,15.3 41.8,5.8 23.1,5.8
+5V on PWR "+5V_L02_P005" (solid, remove dead copper, pour order 5): 22.8,30 8.4,30 8.4,4.7 22.8,4.7

## Keep-outs
Keep-Out Layer:
  the board outline again, w0.1

## Silkscreen, mask and mechanical layers (free items; w line width, h text height)
Top Overlay:
  text "User" at 45.311,22.302 h2 r90
  text "BOOT" at 36.387,18.582 h2
  text "+3V3" at 12.018,13.432 h2 r90
  text "REG | 3V3" at 42.124,12.879 h1.5 r90
  text "RST" at 37.808,10.282 h2
Bottom Overlay:
  text "IO1" at 60.04,24.017 h1 r270
  text "IO9" at 39.72,23.684 h1 r270
  text "IO8" at 42.26,23.684 h1 r270
  text "IO7" at 44.8,23.684 h1 r270
  text "IO6" at 47.34,23.684 h1 r270
  text "IO5" at 49.88,23.684 h1 r270
  text "IO4" at 52.42,23.684 h1 r270
  text "IO3" at 54.96,23.684 h1 r270
  text "IO2" at 57.5,23.684 h1 r270
  text "IO0" at 62.56,23.684 h1 r270
  text "GND" at 9.2,23.517 h1 r270
  text "IO11" at 34.64,23.184 h1 r270
  text "IO18" at 16.86,22.851 h1 r270
  text "IO17" at 19.4,22.851 h1 r270
  text "IO16" at 21.94,22.851 h1 r270
  text "IO15" at 24.48,22.851 h1 r270
  text "IO14" at 27.02,22.851 h1 r270
  text "IO13" at 29.56,22.851 h1 r270
  text "IO12" at 32.1,22.851 h1 r270
  text "IO10" at 37.18,22.851 h1 r270
  text "5V" at 14.32,21.892 h1 r270
  text "UART" at 0.724,21.446 h3 r270
  text "GND" at 11.8,20.892 h1 r270
  text "3V3" at 65.12,19.492 h1 r270
  text "GND" at 67.66,19.492 h1 r270
  text "ESP" at 0.724,4.188 h3 r270
  text "GND" at 9.18,4.067 h1 r270
  text "IO47" at 11.72,4.067 h1 r270
  text "IO48" at 14.26,4.067 h1 r270
  text "USB_N" at 16.883,4.067 h1 r270
  text "USB_P" at 19.423,4.067 h1 r270
  text "IO21" at 21.88,4.067 h1 r270
  text "IO26" at 24.42,4.067 h1 r270
  text "IO33" at 26.96,4.067 h1 r270
  text "IO34" at 29.5,4.067 h1 r270
  text "IO35" at 32.04,4.067 h1 r270
  text "IO36" at 34.58,4.067 h1 r270
  text "IO37" at 37.12,4.067 h1 r270
  text "IO38" at 39.66,4.067 h1 r270
  text "IO39" at 42.2,4.067 h1 r270
  text "IO40" at 44.74,4.067 h1 r270
  text "IO41" at 47.28,4.067 h1 r270
  text "IO42" at 49.82,4.067 h1 r270
  text "TX0" at 52.36,4.067 h1 r270
  text "RX0" at 54.9,4.067 h1 r270
  text "IO45" at 57.44,4.067 h1 r270
  text "IO46" at 59.98,4.067 h1 r270
  text "CH_PU" at 62.583,4.067 h1 r270
  text "GND" at 65.06,4.067 h1 r270
  text "3V3" at 67.6,4.067 h1 r270